# Altium PCB STB_LightBoard.PcbDoc (part 7 of 31) (continued)
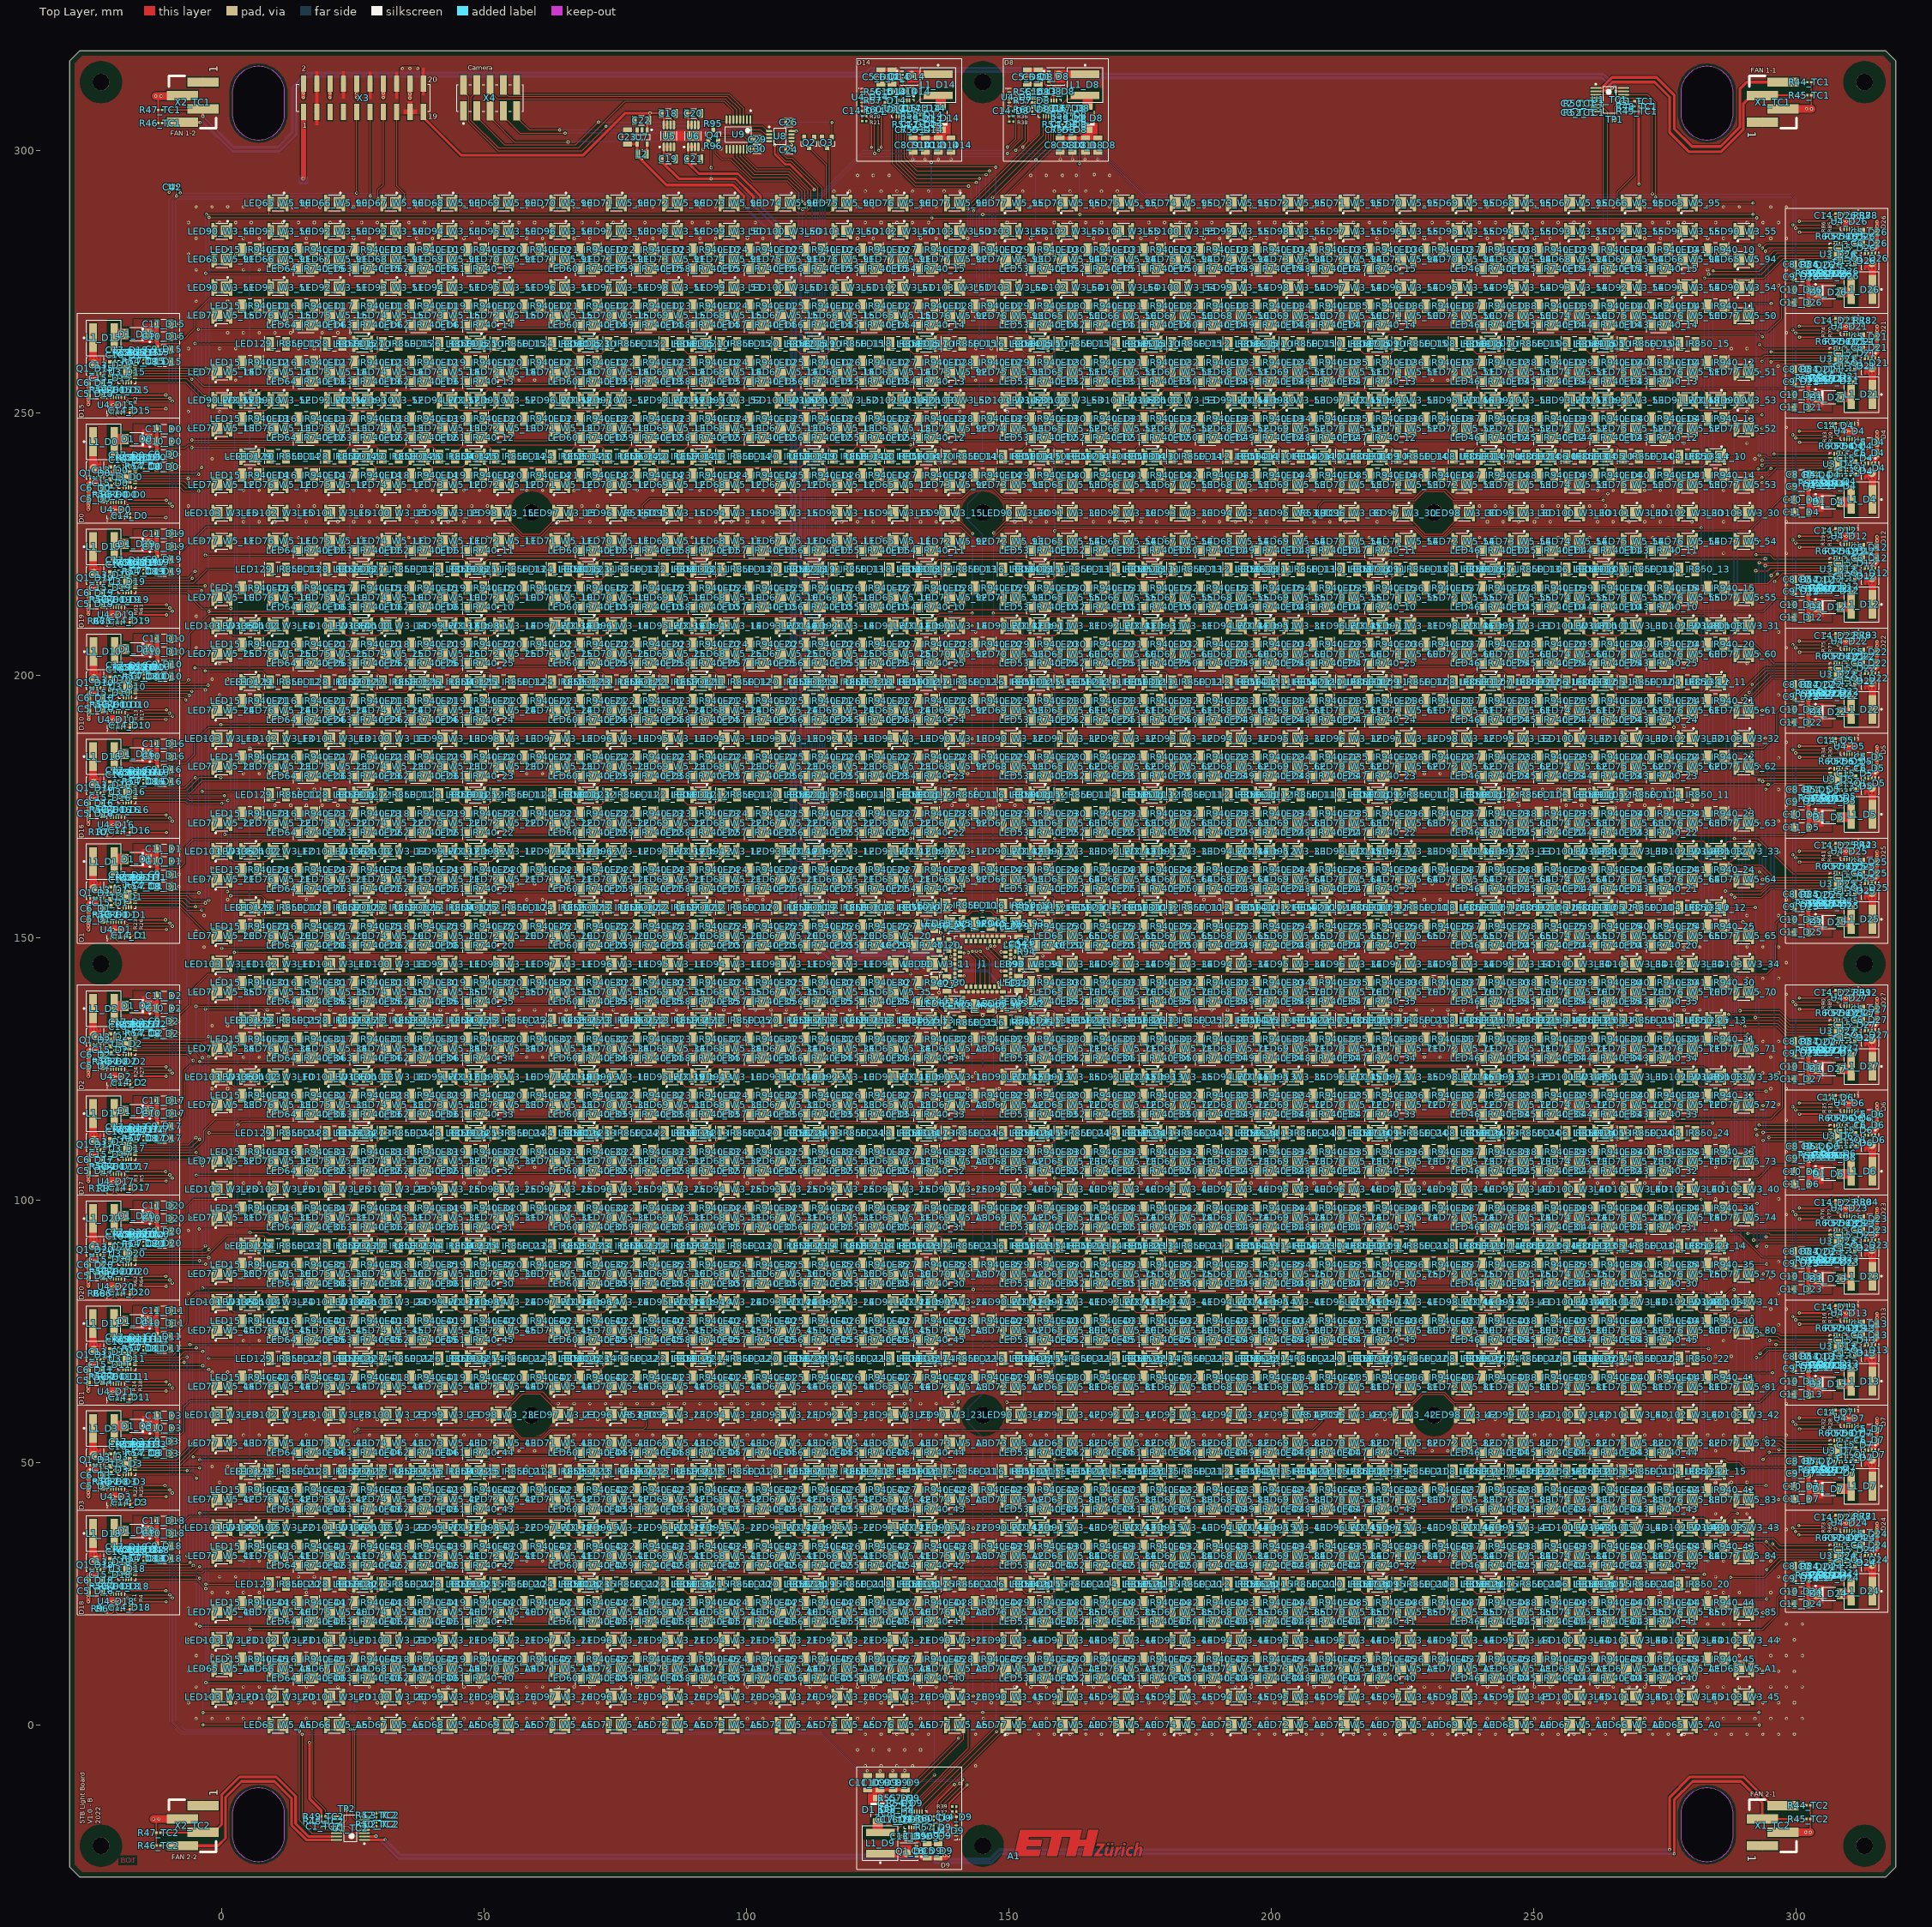
[diagram p0: Top Layer view]
## Components (designator, comment, footprint, x,y, rotation, side; value= is the part's Value field where it differs from the comment) (continued)
LED63_IR740_20 "QBHP686-IR4D" QBHP686-IR4D 26.752,148.574 r0 top (schematic designator LED63)
LED63_IR740_21 "QBHP686-IR4D" QBHP686-IR4D 26.752,159.315 r0 top (schematic designator LED63)
LED63_IR740_22 "QBHP686-IR4D" QBHP686-IR4D 26.752,170.056 r0 top (schematic designator LED63)
LED63_IR740_23 "QBHP686-IR4D" QBHP686-IR4D 26.752,180.797 r0 top (schematic designator LED63)
LED63_IR740_24 "QBHP686-IR4D" QBHP686-IR4D 26.752,191.538 r0 top (schematic designator LED63)
LED63_IR740_25 "QBHP686-IR4D" QBHP686-IR4D 26.752,202.279 r0 top (schematic designator LED63)
LED63_IR740_30 "QBHP686-IR4D" QBHP686-IR4D 26.752,84.128 r0 top (schematic designator LED63)
LED63_IR740_31 "QBHP686-IR4D" QBHP686-IR4D 26.752,94.869 r0 top (schematic designator LED63)
LED63_IR740_32 "QBHP686-IR4D" QBHP686-IR4D 26.752,105.61 r0 top (schematic designator LED63)
LED63_IR740_33 "QBHP686-IR4D" QBHP686-IR4D 26.752,116.351 r0 top (schematic designator LED63)
LED63_IR740_34 "QBHP686-IR4D" QBHP686-IR4D 26.752,127.092 r0 top (schematic designator LED63)
LED63_IR740_35 "QBHP686-IR4D" QBHP686-IR4D 26.752,137.833 r0 top (schematic designator LED63)
LED63_IR740_40 "QBHP686-IR4D" QBHP686-IR4D 26.752,8.941 r0 top (schematic designator LED63)
LED63_IR740_41 "QBHP686-IR4D" QBHP686-IR4D 26.752,19.682 r0 top (schematic designator LED63)
LED63_IR740_42 "QBHP686-IR4D" QBHP686-IR4D 26.752,30.423 r0 top (schematic designator LED63)
LED63_IR740_43 "QBHP686-IR4D" QBHP686-IR4D 26.752,41.164 r0 top (schematic designator LED63)
LED63_IR740_44 "QBHP686-IR4D" QBHP686-IR4D 26.752,51.905 r0 top (schematic designator LED63)
LED63_IR740_45 "QBHP686-IR4D" QBHP686-IR4D 26.752,73.387 r0 top (schematic designator LED63)
LED64_IR740_10 "QBHP686-IR4D" QBHP686-IR4D 16.011,213.02 r0 top (schematic designator LED64)
LED64_IR740_11 "QBHP686-IR4D" QBHP686-IR4D 16.011,223.761 r0 top (schematic designator LED64)
LED64_IR740_12 "QBHP686-IR4D" QBHP686-IR4D 16.011,245.243 r0 top (schematic designator LED64)
LED64_IR740_13 "QBHP686-IR4D" QBHP686-IR4D 16.011,255.984 r0 top (schematic designator LED64)
LED64_IR740_14 "QBHP686-IR4D" QBHP686-IR4D 16.011,266.725 r0 top (schematic designator LED64)
LED64_IR740_15 "QBHP686-IR4D" QBHP686-IR4D 16.011,277.466 r0 top (schematic designator LED64)
LED64_IR740_20 "QBHP686-IR4D" QBHP686-IR4D 16.011,148.574 r0 top (schematic designator LED64)
LED64_IR740_21 "QBHP686-IR4D" QBHP686-IR4D 16.011,159.315 r0 top (schematic designator LED64)
LED64_IR740_22 "QBHP686-IR4D" QBHP686-IR4D 16.011,170.056 r0 top (schematic designator LED64)
LED64_IR740_23 "QBHP686-IR4D" QBHP686-IR4D 16.011,180.797 r0 top (schematic designator LED64)
LED64_IR740_24 "QBHP686-IR4D" QBHP686-IR4D 16.011,191.538 r0 top (schematic designator LED64)
LED64_IR740_25 "QBHP686-IR4D" QBHP686-IR4D 16.011,202.279 r0 top (schematic designator LED64)
LED64_IR740_30 "QBHP686-IR4D" QBHP686-IR4D 16.011,84.128 r0 top (schematic designator LED64)
LED64_IR740_31 "QBHP686-IR4D" QBHP686-IR4D 16.011,94.869 r0 top (schematic designator LED64)
LED64_IR740_32 "QBHP686-IR4D" QBHP686-IR4D 16.011,105.61 r0 top (schematic designator LED64)
LED64_IR740_33 "QBHP686-IR4D" QBHP686-IR4D 16.011,116.351 r0 top (schematic designator LED64)
LED64_IR740_34 "QBHP686-IR4D" QBHP686-IR4D 16.011,127.092 r0 top (schematic designator LED64)
LED64_IR740_35 "QBHP686-IR4D" QBHP686-IR4D 16.011,137.833 r0 top (schematic designator LED64)
LED64_IR740_40 "QBHP686-IR4D" QBHP686-IR4D 16.011,8.941 r0 top (schematic designator LED64)
LED64_IR740_41 "QBHP686-IR4D" QBHP686-IR4D 16.011,19.682 r0 top (schematic designator LED64)
LED64_IR740_42 "QBHP686-IR4D" QBHP686-IR4D 16.011,30.423 r0 top (schematic designator LED64)
LED64_IR740_43 "QBHP686-IR4D" QBHP686-IR4D 16.011,41.164 r0 top (schematic designator LED64)
LED64_IR740_44 "QBHP686-IR4D" QBHP686-IR4D 16.011,51.905 r0 top (schematic designator LED64)
LED64_IR740_45 "QBHP686-IR4D" QBHP686-IR4D 16.011,73.387 r0 top (schematic designator LED64)
LED65_W5_10 "NF2W757GT-F1" NF2W757GT-F1 128.892,214.825 r0 top (schematic designator LED65)
LED65_W5_11 "NF2W757GT-F1" NF2W757GT-F1 128.892,225.565 r0 top (schematic designator LED65)
LED65_W5_12 "NF2W757GT-F1" NF2W757GT-F1 128.892,236.305 r0 top (schematic designator LED65)
LED65_W5_13 "NF2W757GT-F1" NF2W757GT-F1 128.892,247.045 r0 top (schematic designator LED65)
LED65_W5_14 "NF2W757GT-F1" NF2W757GT-F1 128.892,257.785 r0 top (schematic designator LED65)
LED65_W5_15 "NF2W757GT-F1" NF2W757GT-F1 128.892,268.525 r0 top (schematic designator LED65)
LED65_W5_20 "NF2W757GT-F1" NF2W757GT-F1 128.892,150.385 r0 top (schematic designator LED65)
LED65_W5_21 "NF2W757GT-F1" NF2W757GT-F1 128.892,161.125 r0 top (schematic designator LED65)
LED65_W5_22 "NF2W757GT-F1" NF2W757GT-F1 128.892,171.865 r0 top (schematic designator LED65)
LED65_W5_23 "NF2W757GT-F1" NF2W757GT-F1 128.892,182.605 r0 top (schematic designator LED65)
LED65_W5_24 "NF2W757GT-F1" NF2W757GT-F1 128.892,193.345 r0 top (schematic designator LED65)
LED65_W5_25 "NF2W757GT-F1" NF2W757GT-F1 128.892,204.085 r0 top (schematic designator LED65)
LED65_W5_30 "NF2W757GT-F1" NF2W757GT-F1 128.892,85.945 r0 top (schematic designator LED65)
LED65_W5_31 "NF2W757GT-F1" NF2W757GT-F1 128.892,96.685 r0 top (schematic designator LED65)
LED65_W5_32 "NF2W757GT-F1" NF2W757GT-F1 128.892,107.425 r0 top (schematic designator LED65)
LED65_W5_33 "NF2W757GT-F1" NF2W757GT-F1 128.892,118.165 r0 top (schematic designator LED65)
LED65_W5_34 "NF2W757GT-F1" NF2W757GT-F1 128.892,128.905 r0 top (schematic designator LED65)
LED65_W5_35 "NF2W757GT-F1" NF2W757GT-F1 128.892,139.645 r0 top (schematic designator LED65)
LED65_W5_40 "NF2W757GT-F1" NF2W757GT-F1 128.892,21.505 r0 top (schematic designator LED65)
LED65_W5_41 "NF2W757GT-F1" NF2W757GT-F1 128.892,32.245 r0 top (schematic designator LED65)
LED65_W5_42 "NF2W757GT-F1" NF2W757GT-F1 128.892,42.985 r0 top (schematic designator LED65)
LED65_W5_43 "NF2W757GT-F1" NF2W757GT-F1 128.892,53.725 r0 top (schematic designator LED65)
LED65_W5_44 "NF2W757GT-F1" NF2W757GT-F1 128.892,64.465 r0 top (schematic designator LED65)
LED65_W5_45 "NF2W757GT-F1" NF2W757GT-F1 128.892,75.205 r0 top (schematic designator LED65)
LED65_W5_50 "NF2W757GT-F1" NF2W757GT-F1 161.115,268.5 r180 top (schematic designator LED65)
LED65_W5_51 "NF2W757GT-F1" NF2W757GT-F1 161.115,257.76 r180 top (schematic designator LED65)
LED65_W5_52 "NF2W757GT-F1" NF2W757GT-F1 161.115,247.02 r180 top (schematic designator LED65)
LED65_W5_53 "NF2W757GT-F1" NF2W757GT-F1 161.115,236.28 r180 top (schematic designator LED65)
LED65_W5_54 "NF2W757GT-F1" NF2W757GT-F1 161.115,225.54 r180 top (schematic designator LED65)
LED65_W5_55 "NF2W757GT-F1" NF2W757GT-F1 161.115,214.8 r180 top (schematic designator LED65)
LED65_W5_60 "NF2W757GT-F1" NF2W757GT-F1 161.115,204.06 r180 top (schematic designator LED65)
LED65_W5_61 "NF2W757GT-F1" NF2W757GT-F1 161.115,193.32 r180 top (schematic designator LED65)
LED65_W5_62 "NF2W757GT-F1" NF2W757GT-F1 161.115,182.58 r180 top (schematic designator LED65)
LED65_W5_63 "NF2W757GT-F1" NF2W757GT-F1 161.115,171.84 r180 top (schematic designator LED65)
LED65_W5_64 "NF2W757GT-F1" NF2W757GT-F1 161.115,161.1 r180 top (schematic designator LED65)
LED65_W5_65 "NF2W757GT-F1" NF2W757GT-F1 161.115,150.36 r180 top (schematic designator LED65)
LED65_W5_70 "NF2W757GT-F1" NF2W757GT-F1 161.115,139.62 r180 top (schematic designator LED65)
LED65_W5_71 "NF2W757GT-F1" NF2W757GT-F1 161.115,128.88 r180 top (schematic designator LED65)
LED65_W5_72 "NF2W757GT-F1" NF2W757GT-F1 161.115,118.14 r180 top (schematic designator LED65)
LED65_W5_73 "NF2W757GT-F1" NF2W757GT-F1 161.115,107.4 r180 top (schematic designator LED65)
LED65_W5_74 "NF2W757GT-F1" NF2W757GT-F1 161.115,96.66 r180 top (schematic designator LED65)
LED65_W5_75 "NF2W757GT-F1" NF2W757GT-F1 161.115,85.92 r180 top (schematic designator LED65)
LED65_W5_80 "NF2W757GT-F1" NF2W757GT-F1 161.115,75.18 r180 top (schematic designator LED65)
LED65_W5_81 "NF2W757GT-F1" NF2W757GT-F1 161.115,64.44 r180 top (schematic designator LED65)
LED65_W5_82 "NF2W757GT-F1" NF2W757GT-F1 161.115,53.7 r180 top (schematic designator LED65)
LED65_W5_83 "NF2W757GT-F1" NF2W757GT-F1 161.115,42.96 r180 top (schematic designator LED65)
LED65_W5_84 "NF2W757GT-F1" NF2W757GT-F1 161.115,32.22 r180 top (schematic designator LED65)
LED65_W5_85 "NF2W757GT-F1" NF2W757GT-F1 161.115,21.48 r180 top (schematic designator LED65)
LED65_W5_90 "NF2W757GT-F1" NF2W757GT-F1 10.741,289.98 r180 top (schematic designator LED65)
LED65_W5_91 "NF2W757GT-F1" NF2W757GT-F1 0,279.24 r180 top (schematic designator LED65)
LED65_W5_92 "NF2W757GT-F1" NF2W757GT-F1 139.633,152.76 r0 top (schematic designator LED65)
LED65_W5_93 "NF2W757GT-F1" NF2W757GT-F1 150.374,152.76 r180 top (schematic designator LED65)
LED65_W5_94 "NF2W757GT-F1" NF2W757GT-F1 290.007,279.24 r0 top (schematic designator LED65)
LED65_W5_95 "NF2W757GT-F1" NF2W757GT-F1 279.266,289.98 r0 top (schematic designator LED65)
LED65_W5_A0 "NF2W757GT-F1" NF2W757GT-F1 279.266,0 r0 top (schematic designator LED65)
LED65_W5_A1 "NF2W757GT-F1" NF2W757GT-F1 290.007,10.74 r0 top (schematic designator LED65)
LED65_W5_A2 "NF2W757GT-F1" NF2W757GT-F1 150.374,137.42 r180 top (schematic designator LED65)
LED65_W5_A3 "NF2W757GT-F1" NF2W757GT-F1 139.633,137.42 r0 top (schematic designator LED65)
LED65_W5_A4 "NF2W757GT-F1" NF2W757GT-F1 0,10.74 r180 top (schematic designator LED65)
LED65_W5_A5 "NF2W757GT-F1" NF2W757GT-F1 10.741,0 r180 top (schematic designator LED65)
LED66_W5_10 "NF2W757GT-F1" NF2W757GT-F1 118.151,214.825 r0 top (schematic designator LED66)
LED66_W5_11 "NF2W757GT-F1" NF2W757GT-F1 118.151,225.565 r0 top (schematic designator LED66)
LED66_W5_12 "NF2W757GT-F1" NF2W757GT-F1 118.151,236.305 r0 top (schematic designator LED66)
LED66_W5_13 "NF2W757GT-F1" NF2W757GT-F1 118.151,247.045 r0 top (schematic designator LED66)
LED66_W5_14 "NF2W757GT-F1" NF2W757GT-F1 118.151,257.785 r0 top (schematic designator LED66)
LED66_W5_15 "NF2W757GT-F1" NF2W757GT-F1 118.151,268.525 r0 top (schematic designator LED66)
LED66_W5_20 "NF2W757GT-F1" NF2W757GT-F1 118.151,150.385 r0 top (schematic designator LED66)
LED66_W5_21 "NF2W757GT-F1" NF2W757GT-F1 118.151,161.125 r0 top (schematic designator LED66)
LED66_W5_22 "NF2W757GT-F1" NF2W757GT-F1 118.151,171.865 r0 top (schematic designator LED66)
LED66_W5_23 "NF2W757GT-F1" NF2W757GT-F1 118.151,182.605 r0 top (schematic designator LED66)
LED66_W5_24 "NF2W757GT-F1" NF2W757GT-F1 118.151,193.345 r0 top (schematic designator LED66)
LED66_W5_25 "NF2W757GT-F1" NF2W757GT-F1 118.151,204.085 r0 top (schematic designator LED66)
LED66_W5_30 "NF2W757GT-F1" NF2W757GT-F1 118.151,85.945 r0 top (schematic designator LED66)
LED66_W5_31 "NF2W757GT-F1" NF2W757GT-F1 118.151,96.685 r0 top (schematic designator LED66)
LED66_W5_32 "NF2W757GT-F1" NF2W757GT-F1 118.151,107.425 r0 top (schematic designator LED66)
LED66_W5_33 "NF2W757GT-F1" NF2W757GT-F1 118.151,118.165 r0 top (schematic designator LED66)
LED66_W5_34 "NF2W757GT-F1" NF2W757GT-F1 118.151,128.905 r0 top (schematic designator LED66)
LED66_W5_35 "NF2W757GT-F1" NF2W757GT-F1 118.151,139.645 r0 top (schematic designator LED66)
LED66_W5_40 "NF2W757GT-F1" NF2W757GT-F1 118.151,21.505 r0 top (schematic designator LED66)
LED66_W5_41 "NF2W757GT-F1" NF2W757GT-F1 118.151,32.245 r0 top (schematic designator LED66)
LED66_W5_42 "NF2W757GT-F1" NF2W757GT-F1 118.151,42.985 r0 top (schematic designator LED66)
LED66_W5_43 "NF2W757GT-F1" NF2W757GT-F1 118.151,53.725 r0 top (schematic designator LED66)
LED66_W5_44 "NF2W757GT-F1" NF2W757GT-F1 118.151,64.465 r0 top (schematic designator LED66)
LED66_W5_45 "NF2W757GT-F1" NF2W757GT-F1 118.151,75.205 r0 top (schematic designator LED66)
LED66_W5_50 "NF2W757GT-F1" NF2W757GT-F1 171.856,268.5 r180 top (schematic designator LED66)
LED66_W5_51 "NF2W757GT-F1" NF2W757GT-F1 171.856,257.76 r180 top (schematic designator LED66)
LED66_W5_52 "NF2W757GT-F1" NF2W757GT-F1 171.856,247.02 r180 top (schematic designator LED66)
LED66_W5_53 "NF2W757GT-F1" NF2W757GT-F1 171.856,236.28 r180 top (schematic designator LED66)
LED66_W5_54 "NF2W757GT-F1" NF2W757GT-F1 171.856,225.54 r180 top (schematic designator LED66)
LED66_W5_55 "NF2W757GT-F1" NF2W757GT-F1 171.856,214.8 r180 top (schematic designator LED66)
LED66_W5_60 "NF2W757GT-F1" NF2W757GT-F1 171.856,204.06 r180 top (schematic designator LED66)
LED66_W5_61 "NF2W757GT-F1" NF2W757GT-F1 171.856,193.32 r180 top (schematic designator LED66)
LED66_W5_62 "NF2W757GT-F1" NF2W757GT-F1 171.856,182.58 r180 top (schematic designator LED66)
LED66_W5_63 "NF2W757GT-F1" NF2W757GT-F1 171.856,171.84 r180 top (schematic designator LED66)
LED66_W5_64 "NF2W757GT-F1" NF2W757GT-F1 171.856,161.1 r180 top (schematic designator LED66)
LED66_W5_65 "NF2W757GT-F1" NF2W757GT-F1 171.856,150.36 r180 top (schematic designator LED66)
LED66_W5_70 "NF2W757GT-F1" NF2W757GT-F1 171.856,139.62 r180 top (schematic designator LED66)
LED66_W5_71 "NF2W757GT-F1" NF2W757GT-F1 171.856,128.88 r180 top (schematic designator LED66)
LED66_W5_72 "NF2W757GT-F1" NF2W757GT-F1 171.856,118.14 r180 top (schematic designator LED66)
LED66_W5_73 "NF2W757GT-F1" NF2W757GT-F1 171.856,107.4 r180 top (schematic designator LED66)
LED66_W5_74 "NF2W757GT-F1" NF2W757GT-F1 171.856,96.66 r180 top (schematic designator LED66)
LED66_W5_75 "NF2W757GT-F1" NF2W757GT-F1 171.856,85.92 r180 top (schematic designator LED66)
LED66_W5_80 "NF2W757GT-F1" NF2W757GT-F1 171.856,75.18 r180 top (schematic designator LED66)
LED66_W5_81 "NF2W757GT-F1" NF2W757GT-F1 171.856,64.44 r180 top (schematic designator LED66)
LED66_W5_82 "NF2W757GT-F1" NF2W757GT-F1 171.856,53.7 r180 top (schematic designator LED66)
LED66_W5_83 "NF2W757GT-F1" NF2W757GT-F1 171.856,42.96 r180 top (schematic designator LED66)
LED66_W5_84 "NF2W757GT-F1" NF2W757GT-F1 171.856,32.22 r180 top (schematic designator LED66)
LED66_W5_85 "NF2W757GT-F1" NF2W757GT-F1 171.856,21.48 r180 top (schematic designator LED66)
LED66_W5_90 "NF2W757GT-F1" NF2W757GT-F1 21.482,289.98 r180 top (schematic designator LED66)
LED66_W5_91 "NF2W757GT-F1" NF2W757GT-F1 10.741,279.24 r180 top (schematic designator LED66)
LED66_W5_92 "NF2W757GT-F1" NF2W757GT-F1 139.633,161.1 r0 top (schematic designator LED66)
LED66_W5_93 "NF2W757GT-F1" NF2W757GT-F1 150.374,161.1 r180 top (schematic designator LED66)
LED66_W5_94 "NF2W757GT-F1" NF2W757GT-F1 279.266,279.24 r0 top (schematic designator LED66)
LED66_W5_95 "NF2W757GT-F1" NF2W757GT-F1 268.525,289.98 r0 top (schematic designator LED66)
LED66_W5_A0 "NF2W757GT-F1" NF2W757GT-F1 268.525,0 r0 top (schematic designator LED66)
LED66_W5_A1 "NF2W757GT-F1" NF2W757GT-F1 279.266,10.74 r0 top (schematic designator LED66)
LED66_W5_A2 "NF2W757GT-F1" NF2W757GT-F1 150.374,128.88 r180 top (schematic designator LED66)
LED66_W5_A3 "NF2W757GT-F1" NF2W757GT-F1 139.633,128.88 r0 top (schematic designator LED66)
LED66_W5_A4 "NF2W757GT-F1" NF2W757GT-F1 10.741,10.74 r180 top (schematic designator LED66)
LED66_W5_A5 "NF2W757GT-F1" NF2W757GT-F1 21.482,0 r180 top (schematic designator LED66)
LED67_W5_10 "NF2W757GT-F1" NF2W757GT-F1 107.41,214.825 r0 top (schematic designator LED67)
LED67_W5_11 "NF2W757GT-F1" NF2W757GT-F1 107.41,225.565 r0 top (schematic designator LED67)
LED67_W5_12 "NF2W757GT-F1" NF2W757GT-F1 107.41,236.305 r0 top (schematic designator LED67)
LED67_W5_13 "NF2W757GT-F1" NF2W757GT-F1 107.41,247.045 r0 top (schematic designator LED67)
LED67_W5_14 "NF2W757GT-F1" NF2W757GT-F1 107.41,257.785 r0 top (schematic designator LED67)
LED67_W5_15 "NF2W757GT-F1" NF2W757GT-F1 107.41,268.525 r0 top (schematic designator LED67)
LED67_W5_20 "NF2W757GT-F1" NF2W757GT-F1 107.41,150.385 r0 top (schematic designator LED67)
LED67_W5_21 "NF2W757GT-F1" NF2W757GT-F1 107.41,161.125 r0 top (schematic designator LED67)
LED67_W5_22 "NF2W757GT-F1" NF2W757GT-F1 107.41,171.865 r0 top (schematic designator LED67)
LED67_W5_23 "NF2W757GT-F1" NF2W757GT-F1 107.41,182.605 r0 top (schematic designator LED67)
LED67_W5_24 "NF2W757GT-F1" NF2W757GT-F1 107.41,193.345 r0 top (schematic designator LED67)
LED67_W5_25 "NF2W757GT-F1" NF2W757GT-F1 107.41,204.085 r0 top (schematic designator LED67)
LED67_W5_30 "NF2W757GT-F1" NF2W757GT-F1 107.41,85.945 r0 top (schematic designator LED67)
LED67_W5_31 "NF2W757GT-F1" NF2W757GT-F1 107.41,96.685 r0 top (schematic designator LED67)
LED67_W5_32 "NF2W757GT-F1" NF2W757GT-F1 107.41,107.425 r0 top (schematic designator LED67)
LED67_W5_33 "NF2W757GT-F1" NF2W757GT-F1 107.41,118.165 r0 top (schematic designator LED67)
LED67_W5_34 "NF2W757GT-F1" NF2W757GT-F1 107.41,128.905 r0 top (schematic designator LED67)
LED67_W5_35 "NF2W757GT-F1" NF2W757GT-F1 107.41,139.645 r0 top (schematic designator LED67)
LED67_W5_40 "NF2W757GT-F1" NF2W757GT-F1 107.41,21.505 r0 top (schematic designator LED67)
LED67_W5_41 "NF2W757GT-F1" NF2W757GT-F1 107.41,32.245 r0 top (schematic designator LED67)
LED67_W5_42 "NF2W757GT-F1" NF2W757GT-F1 107.41,42.985 r0 top (schematic designator LED67)
LED67_W5_43 "NF2W757GT-F1" NF2W757GT-F1 107.41,53.725 r0 top (schematic designator LED67)
LED67_W5_44 "NF2W757GT-F1" NF2W757GT-F1 107.41,64.465 r0 top (schematic designator LED67)
LED67_W5_45 "NF2W757GT-F1" NF2W757GT-F1 107.41,75.205 r0 top (schematic designator LED67)
LED67_W5_50 "NF2W757GT-F1" NF2W757GT-F1 182.597,268.5 r180 top (schematic designator LED67)
LED67_W5_51 "NF2W757GT-F1" NF2W757GT-F1 182.597,257.76 r180 top (schematic designator LED67)
LED67_W5_52 "NF2W757GT-F1" NF2W757GT-F1 182.597,247.02 r180 top (schematic designator LED67)
LED67_W5_53 "NF2W757GT-F1" NF2W757GT-F1 182.597,236.28 r180 top (schematic designator LED67)
LED67_W5_54 "NF2W757GT-F1" NF2W757GT-F1 182.597,225.54 r180 top (schematic designator LED67)
LED67_W5_55 "NF2W757GT-F1" NF2W757GT-F1 182.597,214.8 r180 top (schematic designator LED67)
LED67_W5_60 "NF2W757GT-F1" NF2W757GT-F1 182.597,204.06 r180 top (schematic designator LED67)
LED67_W5_61 "NF2W757GT-F1" NF2W757GT-F1 182.597,193.32 r180 top (schematic designator LED67)
LED67_W5_62 "NF2W757GT-F1" NF2W757GT-F1 182.597,182.58 r180 top (schematic designator LED67)
LED67_W5_63 "NF2W757GT-F1" NF2W757GT-F1 182.597,171.84 r180 top (schematic designator LED67)
LED67_W5_64 "NF2W757GT-F1" NF2W757GT-F1 182.597,161.1 r180 top (schematic designator LED67)
LED67_W5_65 "NF2W757GT-F1" NF2W757GT-F1 182.597,150.36 r180 top (schematic designator LED67)
LED67_W5_70 "NF2W757GT-F1" NF2W757GT-F1 182.597,139.62 r180 top (schematic designator LED67)
LED67_W5_71 "NF2W757GT-F1" NF2W757GT-F1 182.597,128.88 r180 top (schematic designator LED67)
LED67_W5_72 "NF2W757GT-F1" NF2W757GT-F1 182.597,118.14 r180 top (schematic designator LED67)
LED67_W5_73 "NF2W757GT-F1" NF2W757GT-F1 182.597,107.4 r180 top (schematic designator LED67)
LED67_W5_74 "NF2W757GT-F1" NF2W757GT-F1 182.597,96.66 r180 top (schematic designator LED67)
LED67_W5_75 "NF2W757GT-F1" NF2W757GT-F1 182.597,85.92 r180 top (schematic designator LED67)
LED67_W5_80 "NF2W757GT-F1" NF2W757GT-F1 182.597,75.18 r180 top (schematic designator LED67)
LED67_W5_81 "NF2W757GT-F1" NF2W757GT-F1 182.597,64.44 r180 top (schematic designator LED67)
LED67_W5_82 "NF2W757GT-F1" NF2W757GT-F1 182.597,53.7 r180 top (schematic designator LED67)
LED67_W5_83 "NF2W757GT-F1" NF2W757GT-F1 182.597,42.96 r180 top (schematic designator LED67)
LED67_W5_84 "NF2W757GT-F1" NF2W757GT-F1 182.597,32.22 r180 top (schematic designator LED67)
LED67_W5_85 "NF2W757GT-F1" NF2W757GT-F1 182.597,21.48 r180 top (schematic designator LED67)
LED67_W5_90 "NF2W757GT-F1" NF2W757GT-F1 32.223,289.98 r180 top (schematic designator LED67)
LED67_W5_91 "NF2W757GT-F1" NF2W757GT-F1 21.482,279.24 r180 top (schematic designator LED67)
LED67_W5_92 "NF2W757GT-F1" NF2W757GT-F1 139.633,171.84 r0 top (schematic designator LED67)
LED67_W5_93 "NF2W757GT-F1" NF2W757GT-F1 150.374,171.84 r180 top (schematic designator LED67)
LED67_W5_94 "NF2W757GT-F1" NF2W757GT-F1 268.525,279.24 r0 top (schematic designator LED67)
LED67_W5_95 "NF2W757GT-F1" NF2W757GT-F1 257.784,289.98 r0 top (schematic designator LED67)
LED67_W5_A0 "NF2W757GT-F1" NF2W757GT-F1 257.784,0 r0 top (schematic designator LED67)
LED67_W5_A1 "NF2W757GT-F1" NF2W757GT-F1 268.525,10.74 r0 top (schematic designator LED67)
LED67_W5_A2 "NF2W757GT-F1" NF2W757GT-F1 150.374,118.14 r180 top (schematic designator LED67)
LED67_W5_A3 "NF2W757GT-F1" NF2W757GT-F1 139.633,118.14 r0 top (schematic designator LED67)
LED67_W5_A4 "NF2W757GT-F1" NF2W757GT-F1 21.482,10.74 r180 top (schematic designator LED67)
LED67_W5_A5 "NF2W757GT-F1" NF2W757GT-F1 32.223,0 r180 top (schematic designator LED67)
LED68_W5_10 "NF2W757GT-F1" NF2W757GT-F1 96.669,214.825 r0 top (schematic designator LED68)
LED68_W5_11 "NF2W757GT-F1" NF2W757GT-F1 96.669,225.565 r0 top (schematic designator LED68)
LED68_W5_12 "NF2W757GT-F1" NF2W757GT-F1 96.669,236.305 r0 top (schematic designator LED68)
LED68_W5_13 "NF2W757GT-F1" NF2W757GT-F1 96.669,247.045 r0 top (schematic designator LED68)
LED68_W5_14 "NF2W757GT-F1" NF2W757GT-F1 96.669,257.785 r0 top (schematic designator LED68)
LED68_W5_15 "NF2W757GT-F1" NF2W757GT-F1 96.669,268.525 r0 top (schematic designator LED68)
LED68_W5_20 "NF2W757GT-F1" NF2W757GT-F1 96.669,150.385 r0 top (schematic designator LED68)
LED68_W5_21 "NF2W757GT-F1" NF2W757GT-F1 96.669,161.125 r0 top (schematic designator LED68)
LED68_W5_22 "NF2W757GT-F1" NF2W757GT-F1 96.669,171.865 r0 top (schematic designator LED68)
LED68_W5_23 "NF2W757GT-F1" NF2W757GT-F1 96.669,182.605 r0 top (schematic designator LED68)
LED68_W5_24 "NF2W757GT-F1" NF2W757GT-F1 96.669,193.345 r0 top (schematic designator LED68)
LED68_W5_25 "NF2W757GT-F1" NF2W757GT-F1 96.669,204.085 r0 top (schematic designator LED68)
LED68_W5_30 "NF2W757GT-F1" NF2W757GT-F1 96.669,85.945 r0 top (schematic designator LED68)
LED68_W5_31 "NF2W757GT-F1" NF2W757GT-F1 96.669,96.685 r0 top (schematic designator LED68)
LED68_W5_32 "NF2W757GT-F1" NF2W757GT-F1 96.669,107.425 r0 top (schematic designator LED68)
LED68_W5_33 "NF2W757GT-F1" NF2W757GT-F1 96.669,118.165 r0 top (schematic designator LED68)
LED68_W5_34 "NF2W757GT-F1" NF2W757GT-F1 96.669,128.905 r0 top (schematic designator LED68)
LED68_W5_35 "NF2W757GT-F1" NF2W757GT-F1 96.669,139.645 r0 top (schematic designator LED68)
LED68_W5_40 "NF2W757GT-F1" NF2W757GT-F1 96.669,21.505 r0 top (schematic designator LED68)
LED68_W5_41 "NF2W757GT-F1" NF2W757GT-F1 96.669,32.245 r0 top (schematic designator LED68)
LED68_W5_42 "NF2W757GT-F1" NF2W757GT-F1 96.669,42.985 r0 top (schematic designator LED68)
LED68_W5_43 "NF2W757GT-F1" NF2W757GT-F1 96.669,53.725 r0 top (schematic designator LED68)
LED68_W5_44 "NF2W757GT-F1" NF2W757GT-F1 96.669,64.465 r0 top (schematic designator LED68)
LED68_W5_45 "NF2W757GT-F1" NF2W757GT-F1 96.669,75.205 r0 top (schematic designator LED68)
LED68_W5_50 "NF2W757GT-F1" NF2W757GT-F1 193.338,268.5 r180 top (schematic designator LED68)
LED68_W5_51 "NF2W757GT-F1" NF2W757GT-F1 193.338,257.76 r180 top (schematic designator LED68)
LED68_W5_52 "NF2W757GT-F1" NF2W757GT-F1 193.338,247.02 r180 top (schematic designator LED68)
LED68_W5_53 "NF2W757GT-F1" NF2W757GT-F1 193.338,236.28 r180 top (schematic designator LED68)
LED68_W5_54 "NF2W757GT-F1" NF2W757GT-F1 193.338,225.54 r180 top (schematic designator LED68)
LED68_W5_55 "NF2W757GT-F1" NF2W757GT-F1 193.338,214.8 r180 top (schematic designator LED68)
LED68_W5_60 "NF2W757GT-F1" NF2W757GT-F1 193.338,204.06 r180 top (schematic designator LED68)
LED68_W5_61 "NF2W757GT-F1" NF2W757GT-F1 193.338,193.32 r180 top (schematic designator LED68)
LED68_W5_62 "NF2W757GT-F1" NF2W757GT-F1 193.338,182.58 r180 top (schematic designator LED68)
LED68_W5_63 "NF2W757GT-F1" NF2W757GT-F1 193.338,171.84 r180 top (schematic designator LED68)
LED68_W5_64 "NF2W757GT-F1" NF2W757GT-F1 193.338,161.1 r180 top (schematic designator LED68)
LED68_W5_65 "NF2W757GT-F1" NF2W757GT-F1 193.338,150.36 r180 top (schematic designator LED68)
LED68_W5_70 "NF2W757GT-F1" NF2W757GT-F1 193.338,139.62 r180 top (schematic designator LED68)
LED68_W5_71 "NF2W757GT-F1" NF2W757GT-F1 193.338,128.88 r180 top (schematic designator LED68)
LED68_W5_72 "NF2W757GT-F1" NF2W757GT-F1 193.338,118.14 r180 top (schematic designator LED68)
LED68_W5_73 "NF2W757GT-F1" NF2W757GT-F1 193.338,107.4 r180 top (schematic designator LED68)
LED68_W5_74 "NF2W757GT-F1" NF2W757GT-F1 193.338,96.66 r180 top (schematic designator LED68)
LED68_W5_75 "NF2W757GT-F1" NF2W757GT-F1 193.338,85.92 r180 top (schematic designator LED68)
LED68_W5_80 "NF2W757GT-F1" NF2W757GT-F1 193.338,75.18 r180 top (schematic designator LED68)
LED68_W5_81 "NF2W757GT-F1" NF2W757GT-F1 193.338,64.44 r180 top (schematic designator LED68)
LED68_W5_82 "NF2W757GT-F1" NF2W757GT-F1 193.338,53.7 r180 top (schematic designator LED68)
LED68_W5_83 "NF2W757GT-F1" NF2W757GT-F1 193.338,42.96 r180 top (schematic designator LED68)
LED68_W5_84 "NF2W757GT-F1" NF2W757GT-F1 193.338,32.22 r180 top (schematic designator LED68)
LED68_W5_85 "NF2W757GT-F1" NF2W757GT-F1 193.338,21.48 r180 top (schematic designator LED68)
LED68_W5_90 "NF2W757GT-F1" NF2W757GT-F1 42.964,289.98 r180 top (schematic designator LED68)
LED68_W5_91 "NF2W757GT-F1" NF2W757GT-F1 32.223,279.24 r180 top (schematic designator LED68)
LED68_W5_92 "NF2W757GT-F1" NF2W757GT-F1 139.633,182.58 r0 top (schematic designator LED68)
LED68_W5_93 "NF2W757GT-F1" NF2W757GT-F1 150.374,182.58 r180 top (schematic designator LED68)
LED68_W5_94 "NF2W757GT-F1" NF2W757GT-F1 257.784,279.24 r0 top (schematic designator LED68)
LED68_W5_95 "NF2W757GT-F1" NF2W757GT-F1 247.043,289.98 r0 top (schematic designator LED68)
LED68_W5_A0 "NF2W757GT-F1" NF2W757GT-F1 247.043,0 r0 top (schematic designator LED68)
LED68_W5_A1 "NF2W757GT-F1" NF2W757GT-F1 257.784,10.74 r0 top (schematic designator LED68)
LED68_W5_A2 "NF2W757GT-F1" NF2W757GT-F1 150.374,107.4 r180 top (schematic designator LED68)
LED68_W5_A3 "NF2W757GT-F1" NF2W757GT-F1 139.633,107.4 r0 top (schematic designator LED68)
LED68_W5_A4 "NF2W757GT-F1" NF2W757GT-F1 32.223,10.74 r180 top (schematic designator LED68)
LED68_W5_A5 "NF2W757GT-F1" NF2W757GT-F1 42.964,0 r180 top (schematic designator LED68)
LED69_W5_10 "NF2W757GT-F1" NF2W757GT-F1 85.928,214.825 r0 top (schematic designator LED69)
LED69_W5_11 "NF2W757GT-F1" NF2W757GT-F1 85.928,225.565 r0 top (schematic designator LED69)
LED69_W5_12 "NF2W757GT-F1" NF2W757GT-F1 85.928,236.305 r0 top (schematic designator LED69)
LED69_W5_13 "NF2W757GT-F1" NF2W757GT-F1 85.928,247.045 r0 top (schematic designator LED69)
LED69_W5_14 "NF2W757GT-F1" NF2W757GT-F1 85.928,257.785 r0 top (schematic designator LED69)
LED69_W5_15 "NF2W757GT-F1" NF2W757GT-F1 85.928,268.525 r0 top (schematic designator LED69)
LED69_W5_20 "NF2W757GT-F1" NF2W757GT-F1 85.928,150.385 r0 top (schematic designator LED69)
LED69_W5_21 "NF2W757GT-F1" NF2W757GT-F1 85.928,161.125 r0 top (schematic designator LED69)
LED69_W5_22 "NF2W757GT-F1" NF2W757GT-F1 85.928,171.865 r0 top (schematic designator LED69)
LED69_W5_23 "NF2W757GT-F1" NF2W757GT-F1 85.928,182.605 r0 top (schematic designator LED69)
LED69_W5_24 "NF2W757GT-F1" NF2W757GT-F1 85.928,193.345 r0 top (schematic designator LED69)
LED69_W5_25 "NF2W757GT-F1" NF2W757GT-F1 85.928,204.085 r0 top (schematic designator LED69)
LED69_W5_30 "NF2W757GT-F1" NF2W757GT-F1 85.928,85.945 r0 top (schematic designator LED69)
LED69_W5_31 "NF2W757GT-F1" NF2W757GT-F1 85.928,96.685 r0 top (schematic designator LED69)
LED69_W5_32 "NF2W757GT-F1" NF2W757GT-F1 85.928,107.425 r0 top (schematic designator LED69)
LED69_W5_33 "NF2W757GT-F1" NF2W757GT-F1 85.928,118.165 r0 top (schematic designator LED69)
LED69_W5_34 "NF2W757GT-F1" NF2W757GT-F1 85.928,128.905 r0 top (schematic designator LED69)
LED69_W5_35 "NF2W757GT-F1" NF2W757GT-F1 85.928,139.645 r0 top (schematic designator LED69)
LED69_W5_40 "NF2W757GT-F1" NF2W757GT-F1 85.928,21.505 r0 top (schematic designator LED69)
LED69_W5_41 "NF2W757GT-F1" NF2W757GT-F1 85.928,32.245 r0 top (schematic designator LED69)
LED69_W5_42 "NF2W757GT-F1" NF2W757GT-F1 85.928,42.985 r0 top (schematic designator LED69)
LED69_W5_43 "NF2W757GT-F1" NF2W757GT-F1 85.928,53.725 r0 top (schematic designator LED69)
LED69_W5_44 "NF2W757GT-F1" NF2W757GT-F1 85.928,64.465 r0 top (schematic designator LED69)
LED69_W5_45 "NF2W757GT-F1" NF2W757GT-F1 85.928,75.205 r0 top (schematic designator LED69)
LED69_W5_50 "NF2W757GT-F1" NF2W757GT-F1 204.079,268.5 r180 top (schematic designator LED69)
LED69_W5_51 "NF2W757GT-F1" NF2W757GT-F1 204.079,257.76 r180 top (schematic designator LED69)
LED69_W5_52 "NF2W757GT-F1" NF2W757GT-F1 204.079,247.02 r180 top (schematic designator LED69)
LED69_W5_53 "NF2W757GT-F1" NF2W757GT-F1 204.079,236.28 r180 top (schematic designator LED69)
LED69_W5_54 "NF2W757GT-F1" NF2W757GT-F1 204.079,225.54 r180 top (schematic designator LED69)
LED69_W5_55 "NF2W757GT-F1" NF2W757GT-F1 204.079,214.8 r180 top (schematic designator LED69)
LED69_W5_60 "NF2W757GT-F1" NF2W757GT-F1 204.079,204.06 r180 top (schematic designator LED69)